# KiCad board Transmi.kicad_pcb
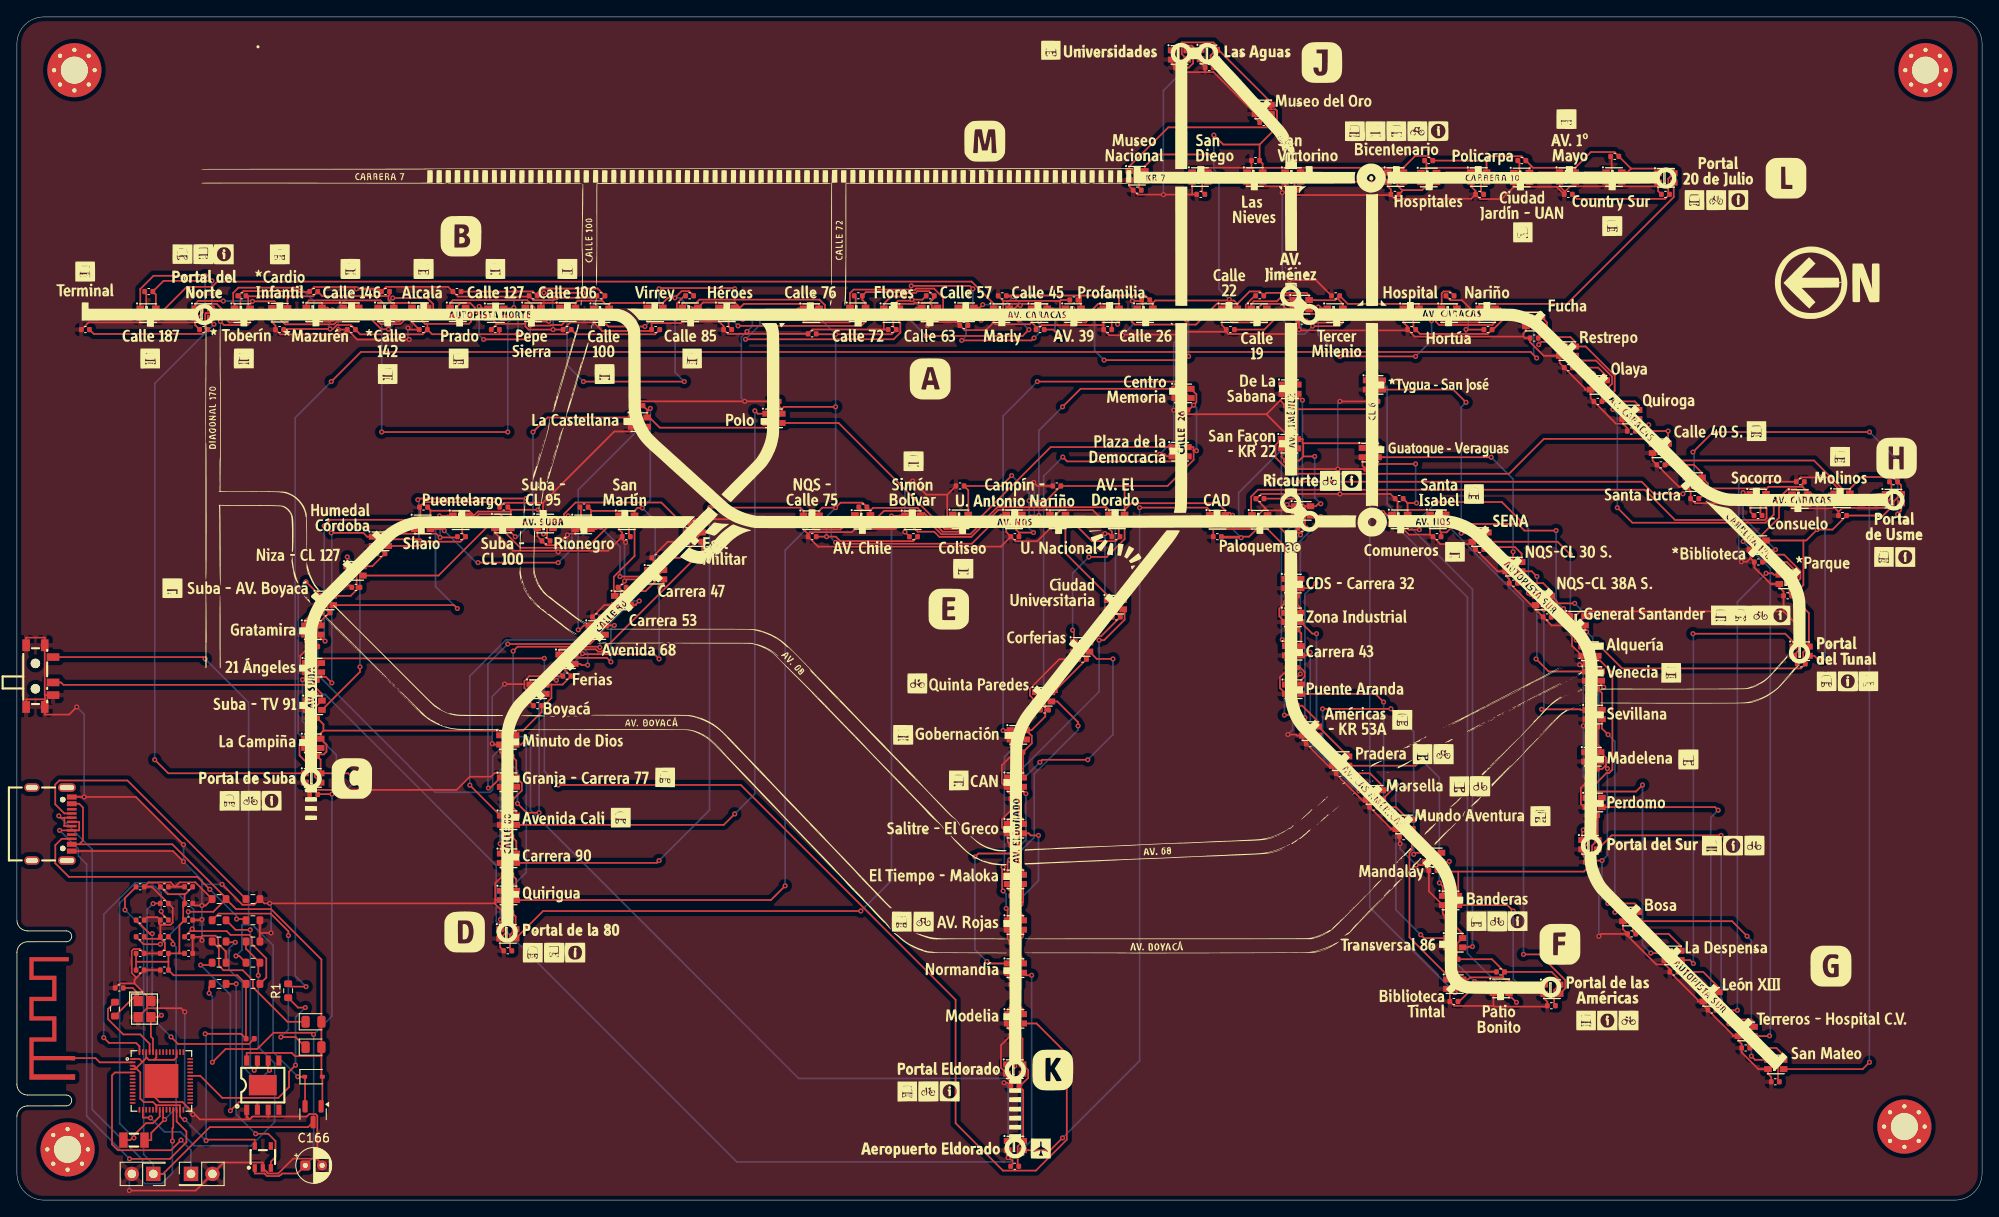
[diagram p0: board, top side]
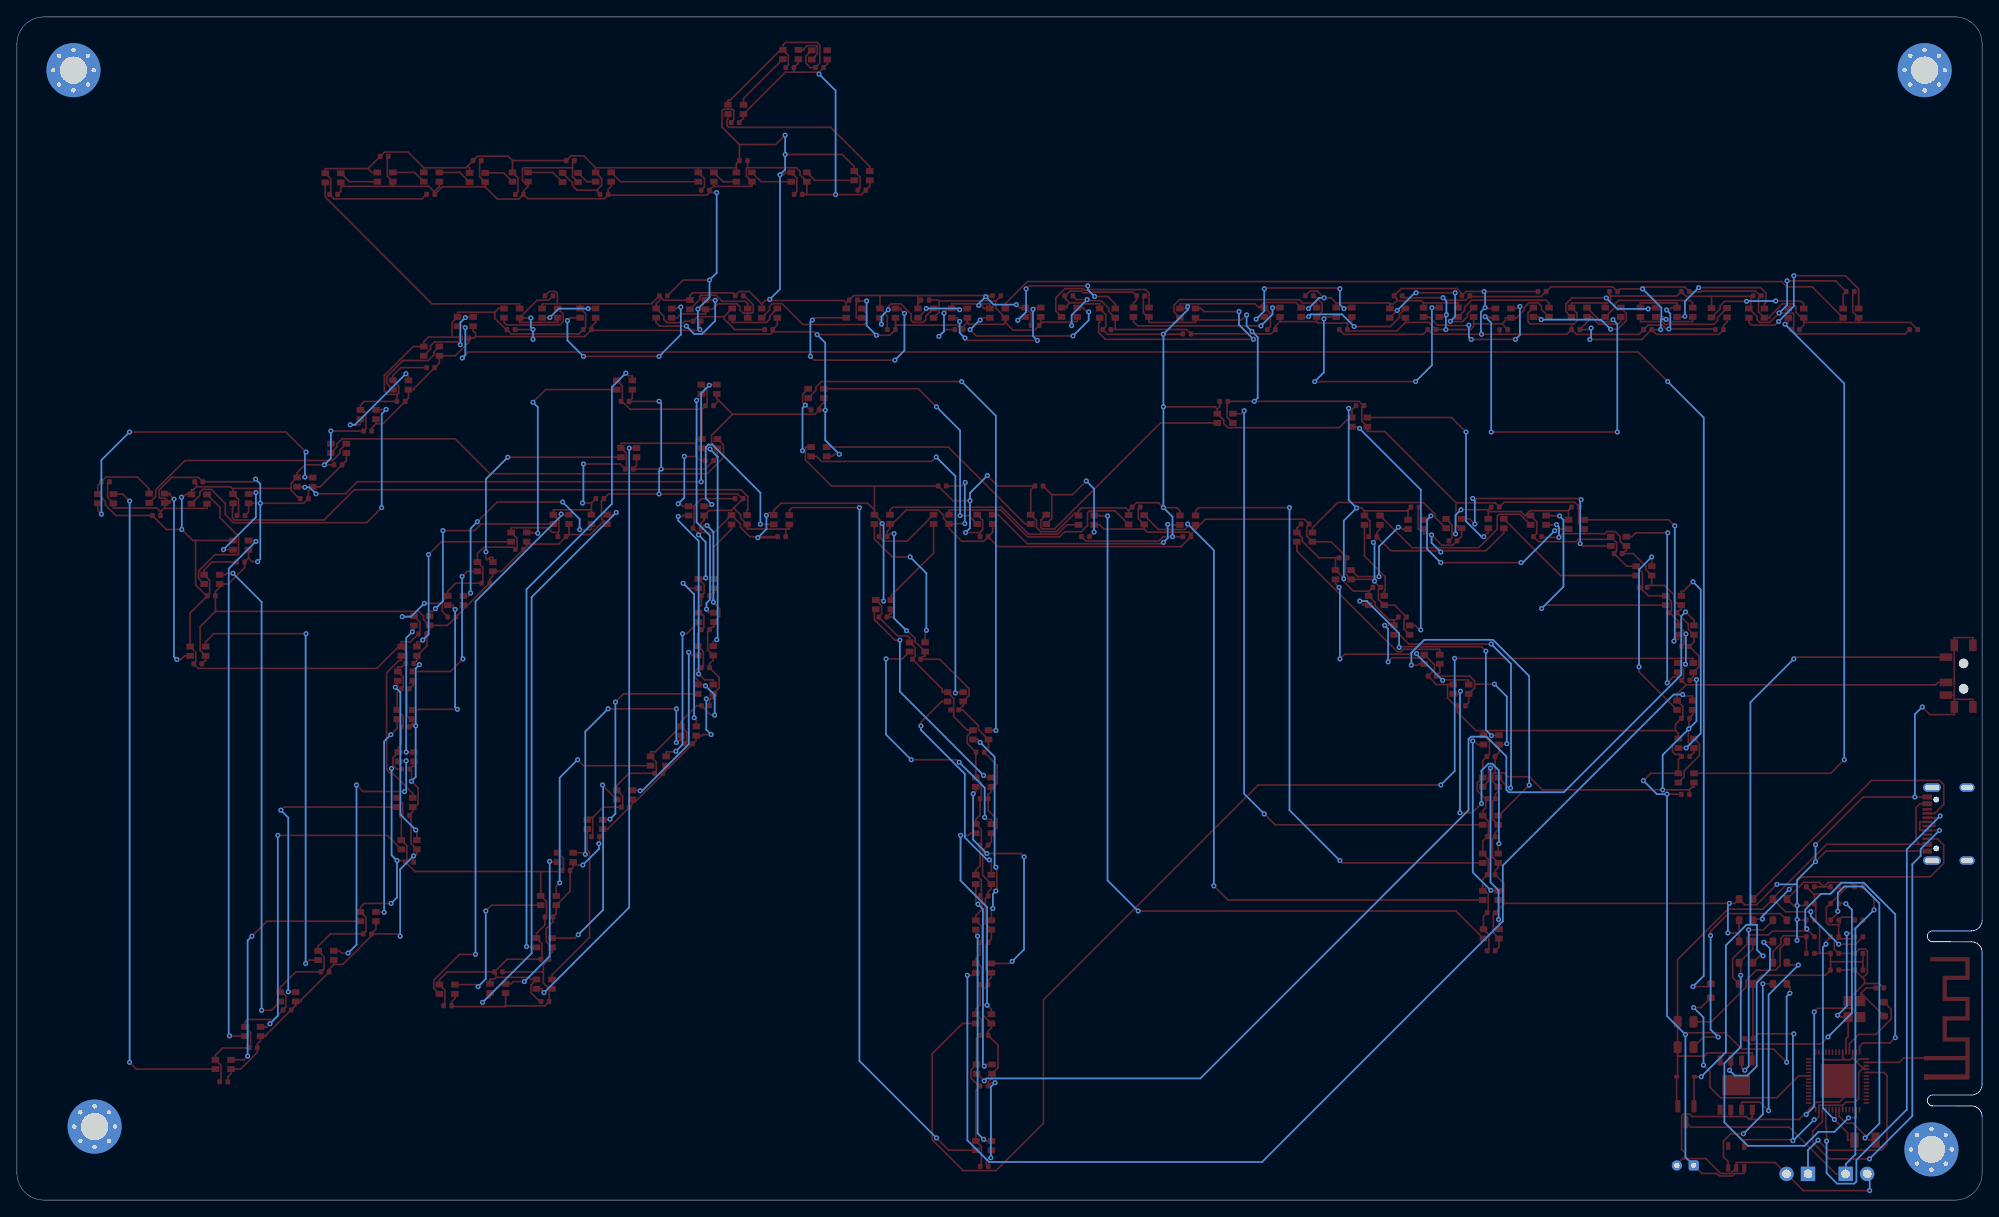
[diagram p1: board, bottom side, seen from below]

Outline 232.61 x 140 mm; copper layers: Top, Bottom. Coordinates in mm from the lower left corner of the outline.
Outline path: 0,9.88 0,3.2 arc(0.94,0.94) 3.2,0 229.41,0 arc(231.67,0.94) 232.61,3.2 232.61,136.8 arc(231.67,139.06) 229.41,140 3.2,140 arc(0.94,139.06) 0,136.8 0,33.13 arc(0.37,32.23) 1.27,31.86 5.84,31.86 arc(6.49,31.21) 5.84,30.57 ; 0,9.87 arc(0.37,10.77) 1.27,11.14 5.84,11.15 ; 5.84,30.58 1.27,30.57 arc(0.37,30.2) 0,29.3 0,13.7 arc(0.37,12.81) 1.27,12.43 5.84,12.43 arc(6.49,11.79) 5.84,11.14

## Placement (name value [footprint] x y rotation side)
C1  100n  [C_0402_1005Metric]  8.11 103 0 top
C2  100n  [C_0402_1005Metric]  52.09 107.5 0 top
C3  100n  [C_0402_1005Metric]  99.59 107 0 top
C4  100n  [C_0402_1005Metric]  143.63 103 0 top
C5  100n  [C_0402_1005Metric]  187.13 94.5 0 top
C6  100n  [C_0402_1005Metric]  209.59 71.5 0 top
C7  100n  [C_0402_1005Metric]  35.09 52.5 0 top
C8  100n  [C_0402_1005Metric]  106.13 78.5 0 top
C9  100n  [C_0402_1005Metric]  168.09 78.5 0 top
C10  100n  [C_0402_1005Metric]  186.13 40 0 top
C11  100n  [C_0402_1005Metric]  151.11 63 0 top
C12  100n  [C_0402_1005Metric]  151.13 119.5 0 top
C13  100n  [C_0402_1005Metric]  140.13 119 0 top
C14  100n  [C_0402_1005Metric]  58.11 29.5 0 top
C15  100n  [C_0402_1005Metric]  71.63 72.5 0 top
C16  100n  [C_0402_1005Metric]  118.13 13.5 0 top
C17  100n  [C_0402_1005Metric]  15.61 107.5 0 top
C18  100n  [C_0402_1005Metric]  56.63 103 0 top
C19  100n  [C_0402_1005Metric]  103.61 103 0 top
C20  100n  [C_0402_1005Metric]  147.11 107 0 top
C21  100n  [C_0402_1005Metric]  191.09 91 0 top
C22  100n  [C_0402_1005Metric]  211.21 63.45 0 top
C23  100n  [C_0402_1005Metric]  35.11 57 0 top
C24  100n  [C_0402_1005Metric]  111.63 84.5 0 top
C25  100n  [C_0402_1005Metric]  173.13 77 0 top
C26  100n  [C_0402_1005Metric]  191.13 31.5 0 top
C27  100n  [C_0402_1005Metric]  151.09 58.5 0 top
C28  100n  [C_0402_1005Metric]  147.59 127.5 0 top
C29  100n  [C_0402_1005Metric]  146.61 123 0 top
C30  100n  [C_0402_1005Metric]  58.11 34 0 top
C31  100n  [C_0402_1005Metric]  75.63 76 0 top
C32  100n  [C_0402_1005Metric]  118.13 19.5 0 top
C33  100n  [C_0402_1005Metric]  22.11 103 0 top
C34  100n  [C_0402_1005Metric]  61.11 107 0 top
C35  100n  [C_0402_1005Metric]  108.11 107 0 top
C36  100n  [C_0402_1005Metric]  152.09 104 0 top
C37  100n  [C_0402_1005Metric]  194.59 87 0 top
C38  100n  [C_0402_1005Metric]  35.13 48 0 top
C39  100n  [C_0402_1005Metric]  35.09 61.5 0 top
C40  100n  [C_0402_1005Metric]  118.13 78.5 0 top
C41  100n  [C_0402_1005Metric]  177.13 73 0 top
C42  100n  [C_0402_1005Metric]  196.13 27 0 top
C43  100n  [C_0402_1005Metric]  153.09 54 0 top
C44  100n  [C_0402_1005Metric]  141.13 134 0 top
C45  100n  [C_0402_1005Metric]  163.11 119 0 top
C46  100n  [C_0402_1005Metric]  58.11 38.5 0 top
C47  100n  [C_0402_1005Metric]  80.13 80 0 top
C48  100n  [C_0402_1005Metric]  118.13 25.5 0 top
C49  100n  [C_0402_1005Metric]  26.63 107 0 top
C50  100n  [C_0402_1005Metric]  65.13 103 0 top
C51  100n  [C_0402_1005Metric]  112.09 103.5 0 top
C52  100n  [C_0402_1005Metric]  156.09 107 0 top
C53  100n  [C_0402_1005Metric]  198.59 83 0 top
C54  100n  [C_0402_1005Metric]  35.13 65.5 0 top
C55  100n  [C_0402_1005Metric]  36.59 69.5 0 top
C56  100n  [C_0402_1005Metric]  123.09 84.5 0 top
C57  100n  [C_0402_1005Metric]  181.13 69 0 top
C58  100n  [C_0402_1005Metric]  200.63 22.5 0 top
C59  100n  [C_0402_1005Metric]  156.63 50.5 0 top
C60  100n  [C_0402_1005Metric]  137.61 134 0 top
C61  100n  [C_0402_1005Metric]  173.13 119 0 top
C62  100n  [C_0402_1005Metric]  58.11 43 0 top
C63  100n  [C_0402_1005Metric]  73.63 94 0 top
C64  100n  [C_0402_1005Metric]  118.13 30.5 0 top
C65  100n  [C_0402_1005Metric]  31.09 103 0 top
C66  100n  [C_0402_1005Metric]  69.13 107 0 top
C67  100n  [C_0402_1005Metric]  116.63 107 0 top
C68  100n  [C_0402_1005Metric]  165.09 103 0 top
C69  100n  [C_0402_1005Metric]  206.09 81 0 top
C70  100n  [C_0402_1005Metric]  40.13 72.5 0 top
C71  100n  [C_0402_1005Metric]  43.09 76.5 0 top
C72  100n  [C_0402_1005Metric]  130.09 78.5 0 top
C73  100n  [C_0402_1005Metric]  184.59 67 0 top
C74  100n  [C_0402_1005Metric]  204.63 18 0 top
C75  100n  [C_0402_1005Metric]  160.59 46.5 0 top
C76  100n  [C_0402_1005Metric]  132.61 119.5 0 top
C77  100n  [C_0402_1005Metric]  178.13 123 0 top
C78  100n  [C_0402_1005Metric]  58.11 47.5 0 top
C79  100n  [C_0402_1005Metric]  89.76 94.5 0 top
C80  100n  [C_0402_1005Metric]  118.13 36 0 top
C81  100n  [C_0402_1005Metric]  35.13 107.5 0 top
C82  100n  [C_0402_1005Metric]  75.61 103 0 top
C83  100n  [C_0402_1005Metric]  121.11 103 0 top
C84  100n  [C_0402_1005Metric]  169.63 107 0 top
C85  100n  [C_0402_1005Metric]  211.09 85 0 top
C86  100n  [C_0402_1005Metric]  48.13 82 0 top
C87  100n  [C_0402_1005Metric]  52.63 78.5 0 top
C88  100n  [C_0402_1005Metric]  142.09 78.5 0 top
C89  100n  [C_0402_1005Metric]  186.63 60.5 0 top
C90  100n  [C_0402_1005Metric]  208.13 14 0 top
C91  100n  [C_0402_1005Metric]  164.13 43 0 top
C92  100n  [C_0402_1005Metric]  150.63 94 0 top
C93  100n  [C_0402_1005Metric]  183.63 119 0 top
C94  100n  [C_0402_1005Metric]  58.13 52.5 0 top
C95  100n  [C_0402_1005Metric]  130.13 69 0 top
C96  100n  [C_0402_1005Metric]  118.13 42 0 top
C97  100n  [C_0402_1005Metric]  39.59 103 0 top
C98  100n  [C_0402_1005Metric]  79.63 107 0 top
C99  100n  [C_0402_1005Metric]  125.11 106.5 0 top
C100  100n  [C_0402_1005Metric]  174.13 103 0 top
C101  10u  [C_0402_1005Metric]  14.59 37.07 0 top
C102  100n  [C_0402_1005Metric]  216.09 81 0 top
C103  10p  [C_0402_1005Metric]  12.11 25.1 0 top
C104  100n  [C_0402_1005Metric]  57.63 82 0 top
C105  10p  [C_0402_1005Metric]  14.59 33.13 0 top
C106  10u  [C_0402_1005Metric]  14.59 31.16 0 top
C107  10u  [C_0402_1005Metric]  14.59 29.19 0 top
C108  1u  [C_0402_1005Metric]  14.59 27.22 0 top
C109  0u1  [C_0402_1005Metric]  17.46 37.07 0 top
C110  0u1  [C_0402_1005Metric]  17.46 35.1 0 top
C111  18p  [C_0402_1005Metric]  17.46 33.13 0 top
C112  18p  [C_0402_1005Metric]  17.46 31.16 0 top
C113  0u1  [C_0402_1005Metric]  17.46 29.19 0 top
C114  0u1  [C_0402_1005Metric]  17.46 27.22 0 top
C115  0u1  [C_0402_1005Metric]  20.33 37.07 0 top
C116  100n  [C_0402_1005Metric]  62.63 78 0 top
C117  100n  [C_0402_1005Metric]  147.13 83 0 top
C118  0u1  [C_0402_1005Metric]  20.33 35.1 0 top
C119  1u  [C_0402_1005Metric]  20.33 33.13 0 top
C120  1u  [C_0402_1005Metric]  20.33 31.16 0 top
C121  0n1  [C_0402_1005Metric]  20.33 29.19 0 top
C122  100n  [C_0402_1005Metric]  186.63 56 0 top
C123  100n  [C_0402_1005Metric]  170.09 23.5 0 top
C124  100n  [C_0402_1005Metric]  167.61 39 0 top
C125  100n  [C_0402_1005Metric]  150.63 87.5 0 top
C126  100n  [C_0402_1005Metric]  189.13 123.5 0 top
C127  100n  [C_0402_1005Metric]  61.63 58.5 0 top
C128  100n  [C_0402_1005Metric]  126.13 64 0 top
C129  100n  [C_0402_1005Metric]  118.13 47.5 0 top
C130  100n  [C_0402_1005Metric]  43.63 107.5 0 top
C131  100n  [C_0402_1005Metric]  84.13 103 0 top
C132  100n  [C_0402_1005Metric]  129.11 103 0 top
C133  100n  [C_0402_1005Metric]  179.59 102 0 top
C134  100n  [C_0402_1005Metric]  206.13 75.5 0 top
C135  100n  [C_0402_1005Metric]  67.13 82 0 top
C136  100n  [C_0402_1005Metric]  72.13 78.5 0 top
C137  100n  [C_0402_1005Metric]  152.11 79.5 0 top
C138  100n  [C_0402_1005Metric]  186.59 51 0 top
C139  100n  [C_0402_1005Metric]  175.61 27 0 top
C140  100n  [C_0402_1005Metric]  169.63 33.5 0 top
C141  100n  [C_0402_1005Metric]  151.11 71.5 0 top
C142  100n  [C_0402_1005Metric]  167.11 123 0 top
C143  100n  [C_0402_1005Metric]  65.11 62 0 top
C144  100n  [C_0402_1005Metric]  121.63 58 0 top
C145  100n  [C_0402_1005Metric]  118.61 53 0 top
C146  100n  [C_0402_1005Metric]  48.11 103 0 top
C147  100n  [C_0402_1005Metric]  94.13 102.5 0 top
C148  100n  [C_0402_1005Metric]  133.61 106.5 0 top
C149  100n  [C_0402_1005Metric]  183.63 98.5 0 top
C150  100n  [C_0402_1005Metric]  222.13 85 0 top
C151  100n  [C_0402_1005Metric]  94.13 78.5 0 top
C152  100n  [C_0402_1005Metric]  100.13 82 0 top
C153  100n  [C_0402_1005Metric]  163.61 83 0 top
C154  100n  [C_0402_1005Metric]  186.63 45.5 0 top
C155  100n  [C_0402_1005Metric]  181.63 23 0 top
C156  100n  [C_0402_1005Metric]  170.11 28.5 0 top
C157  100n  [C_0402_1005Metric]  151.11 67.5 0 top
C158  100n  [C_0402_1005Metric]  195.13 119 0 top
C159  100n  [C_0402_1005Metric]  68.61 69 0 top
C160  100n  [C_0402_1005Metric]  186.13 63.5 0 top
C161  100n  [C_0402_1005Metric]  118.11 4 0 top
C162  100n  [C_0402_1005Metric]  138.13 93.5 0 top
C163  100n  [C_0402_1005Metric]  160.63 94.5 0 top
C164  100n  [C_0402_1005Metric]  160.13 86.5 0 top
C166  1000u  [CP_Radial_D4.0mm_P2.00mm]  34.13 4.1 0 top
D101  1N5819WS  [D_SOD-323]  35.11 14.6 0 top
D129  LED  [LED_0805_2012Metric]  35.11 18.1 0 top
D130  LED  [LED_0805_2012Metric]  35.11 21.1 0 top
G***  LOGO  [Mapa]  115.11 61 0 top
H101  MountingHole  [MountingHole_3.2mm_M3_Pad_Via]  6.8 133.7 0 top
H102  MountingHole  [MountingHole_3.2mm_M3_Pad_Via]  6 6 0 top
H103  MountingHole  [MountingHole_3.2mm_M3_Pad_Via]  225.91 133.7 0 top
H104  MountingHole  [MountingHole_3.2mm_M3_Pad_Via]  223.41 8.7 0 top
J101  Bat  [PinHeader_2x01_P2.54mm_Vertical]  16.15 3.1 180 top
J104  Ant  [ESPRESSIF_ESP32_MIFA_2.4GHz_Right]  6.62 16.95 90 top
J105  Boot  [PinHeader_2x01_P2.54mm_Vertical]  20.61 3.1 0 top
L101  3n9  [L_0402_1005Metric]  27.61 19.1 0 top
LED2  WS2812B-2020  [LED-SMD_4P-L2.0-W2.0-TL_WS2812B-2020]  65.19 105.05 0 top
LED3  WS2812B-2020  [LED-SMD_4P-L2.0-W2.0-TL_WS2812B-2020]  125.03 104.95 0 top
LED4  WS2812B-2020  [LED-SMD_4P-L2.0-W2.0-TL_WS2812B-2020]  187.19 96.45 0 top
LED5  WS2812B-2020  [LED-SMD_4P-L2.0-W2.0-TL_WS2812B-2020]  35.03 54.05 0 top
LED6  WS2812B-2020  [LED-SMD_4P-L2.0-W2.0-TL_WS2812B-2020]  94.03 80.45 0 top
LED7  WS2812B-2020  [LED-SMD_4P-L2.0-W2.0-TL_WS2812B-2020]  173.19 78.45 0 top
LED8  WS2812B-2020  [LED-SMD_4P-L2.0-W2.0-TL_WS2812B-2020]  153.11 55.5 0 top
LED9  WS2812B-2020  [LED-SMD_4P-L2.0-W2.0-TL_WS2812B-2020]  151.03 121.05 0 top
LED10  WS2812B-2020  [LED-SMD_4P-L2.0-W2.0-TL_WS2812B-2020]  146.53 121.05 0 top
LED11  WS2812B-2020  [LED-SMD_4P-L2.0-W2.0-TL_WS2812B-2020]  58.19 49.45 0 top
LED12  WS2812B-2020  [LED-SMD_4P-L2.0-W2.0-TL_WS2812B-2020]  118.53 55.05 0 top
LED13  WS2812B-2020  [LED-SMD_4P-L2.0-W2.0-TL_WS2812B-2020]  15.53 104.95 0 top
LED14  WS2812B-2020  [LED-SMD_4P-L2.0-W2.0-TL_WS2812B-2020]  69.19 104.95 0 top
LED15  WS2812B-2020  [LED-SMD_4P-L2.0-W2.0-TL_WS2812B-2020]  129.53 104.95 0 top
LED16  WS2812B-2020  [LED-SMD_4P-L2.0-W2.0-TL_WS2812B-2020]  191.03 92.95 0 top
LED17  WS2812B-2020  [LED-SMD_4P-L2.0-W2.0-TL_WS2812B-2020]  35.19 58.55 0 top
LED18  WS2812B-2020  [LED-SMD_4P-L2.0-W2.0-TL_WS2812B-2020]  100.11 80.5 0 top
LED19  WS2812B-2020  [LED-SMD_4P-L2.0-W2.0-TL_WS2812B-2020]  177.19 74.95 0 top
LED20  WS2812B-2020  [LED-SMD_4P-L2.0-W2.0-TL_WS2812B-2020]  156.69 51.95 0 top
LED21  WS2812B-2020  [LED-SMD_4P-L2.0-W2.0-TL_WS2812B-2020]  147.53 129.05 0 top
LED22  WS2812B-2020  [LED-SMD_4P-L2.0-W2.0-TL_WS2812B-2020]  163.19 121.05 0 top
LED23  WS2812B-2020  [LED-SMD_4P-L2.0-W2.0-TL_WS2812B-2020]  58.11 54.45 0 top
LED24  WS2812B-2020  [LED-SMD_4P-L2.0-W2.0-TL_WS2812B-2020]  121.53 59.55 0 top
LED25  WS2812B-2020  [LED-SMD_4P-L2.0-W2.0-TL_WS2812B-2020]  22.03 104.95 0 top
LED26  WS2812B-2020  [LED-SMD_4P-L2.0-W2.0-TL_WS2812B-2020]  75.53 105.05 0 top
LED27  WS2812B-2020  [LED-SMD_4P-L2.0-W2.0-TL_WS2812B-2020]  133.53 104.95 0 top
LED28  WS2812B-2020  [LED-SMD_4P-L2.0-W2.0-TL_WS2812B-2020]  194.53 88.95 0 top
LED29  WS2812B-2020  [LED-SMD_4P-L2.0-W2.0-TL_WS2812B-2020]  35.11 63 0 top
LED30  WS2812B-2020  [LED-SMD_4P-L2.0-W2.0-TL_WS2812B-2020]  106.03 80.45 0 top
LED31  WS2812B-2020  [LED-SMD_4P-L2.0-W2.0-TL_WS2812B-2020]  180.69 70.95 0 top
LED32  WS2812B-2020  [LED-SMD_4P-L2.0-W2.0-TL_WS2812B-2020]  160.69 47.95 0 top
LED33  WS2812B-2020  [LED-SMD_4P-L2.0-W2.0-TL_WS2812B-2020]  141.03 135.55 0 top
LED34  WS2812B-2020  [LED-SMD_4P-L2.0-W2.0-TL_WS2812B-2020]  167.11 121 0 top
LED35  WS2812B-2020  [LED-SMD_4P-L2.0-W2.0-TL_WS2812B-2020]  61.69 60.45 0 top
LED36  WS2812B-2020  [LED-SMD_4P-L2.0-W2.0-TL_WS2812B-2020]  126.03 65.45 0 top
LED37  WS2812B-2020  [LED-SMD_4P-L2.0-W2.0-TL_WS2812B-2020]  26.69 104.95 0 top
LED38  WS2812B-2020  [LED-SMD_4P-L2.0-W2.0-TL_WS2812B-2020]  79.69 105.05 0 top
LED39  WS2812B-2020  [LED-SMD_4P-L2.0-W2.0-TL_WS2812B-2020]  143.53 104.95 0 top
LED40  WS2812B-2020  [LED-SMD_4P-L2.0-W2.0-TL_WS2812B-2020]  198.53 84.95 0 top
LED41  WS2812B-2020  [LED-SMD_4P-L2.0-W2.0-TL_WS2812B-2020]  35.03 67.45 0 top
LED42  WS2812B-2020  [LED-SMD_4P-L2.0-W2.0-TL_WS2812B-2020]  111.69 80.55 0 top
LED43  WS2812B-2020  [LED-SMD_4P-L2.0-W2.0-TL_WS2812B-2020]  184.69 68.55 0 top
LED44  WS2812B-2020  [LED-SMD_4P-L2.0-W2.0-TL_WS2812B-2020]  164.19 44.45 0 top
LED45  WS2812B-2020  [LED-SMD_4P-L2.0-W2.0-TL_WS2812B-2020]  137.61 135.5 0 top
LED46  WS2812B-2020  [LED-SMD_4P-L2.0-W2.0-TL_WS2812B-2020]  173.03 121.05 0 top
LED47  WS2812B-2020  [LED-SMD_4P-L2.0-W2.0-TL_WS2812B-2020]  65.11 64 0 top
LED48  WS2812B-2020  [LED-SMD_4P-L2.0-W2.0-TL_WS2812B-2020]  130.03 70.45 0 top
LED49  WS2812B-2020  [LED-SMD_4P-L2.0-W2.0-TL_WS2812B-2020]  31.11 105 0 top
LED50  WS2812B-2020  [LED-SMD_4P-L2.0-W2.0-TL_WS2812B-2020]  84.03 105.05 0 top
LED51  WS2812B-2020  [LED-SMD_4P-L2.0-W2.0-TL_WS2812B-2020]  147.03 104.95 0 top
LED52  WS2812B-2020  [LED-SMD_4P-L2.0-W2.0-TL_WS2812B-2020]  206.11 83 0 top
LED53  WS2812B-2020  [LED-SMD_4P-L2.0-W2.0-TL_WS2812B-2020]  36.53 70.95 0 top
LED54  WS2812B-2020  [LED-SMD_4P-L2.0-W2.0-TL_WS2812B-2020]  118.03 80.55 0 top
LED55  WS2812B-2020  [LED-SMD_4P-L2.0-W2.0-TL_WS2812B-2020]  186.61 62 0 top
LED56  WS2812B-2020  [LED-SMD_4P-L2.0-W2.0-TL_WS2812B-2020]  167.69 40.55 0 top
LED57  WS2812B-2020  [LED-SMD_4P-L2.0-W2.0-TL_WS2812B-2020]  132.58 121.21 0 top
LED58  WS2812B-2020  [LED-SMD_4P-L2.0-W2.0-TL_WS2812B-2020]  178.11 121 0 top
LED59  WS2812B-2020  [LED-SMD_4P-L2.0-W2.0-TL_WS2812B-2020]  68.69 67.45 0 top
LED60  WS2812B-2020  [LED-SMD_4P-L2.0-W2.0-TL_WS2812B-2020]  186.19 64.95 0 top
LED61  WS2812B-2020  [LED-SMD_4P-L2.0-W2.0-TL_WS2812B-2020]  35.19 105.05 0 top
LED62  WS2812B-2020  [LED-SMD_4P-L2.0-W2.0-TL_WS2812B-2020]  94.03 104.95 0 top
LED63  WS2812B-2020  [LED-SMD_4P-L2.0-W2.0-TL_WS2812B-2020]  152.03 105.95 0 top
LED64  WS2812B-2020  [LED-SMD_4P-L2.0-W2.0-TL_WS2812B-2020]  211.03 82.95 0 top
LED65  WS2812B-2020  [LED-SMD_4P-L2.0-W2.0-TL_WS2812B-2020]  40.03 74.45 0 top
LED66  WS2812B-2020  [LED-SMD_4P-L2.0-W2.0-TL_WS2812B-2020]  123.19 80.55 0 top
LED67  WS2812B-2020  [LED-SMD_4P-L2.0-W2.0-TL_WS2812B-2020]  186.69 57.45 0 top
LED68  WS2812B-2020  [LED-SMD_4P-L2.0-W2.0-TL_WS2812B-2020]  169.69 35.45 0 top
LED69  WS2812B-2020  [LED-SMD_4P-L2.0-W2.0-TL_WS2812B-2020]  140.03 121.05 0 top
LED70  WS2812B-2020  [LED-SMD_4P-L2.0-W2.0-TL_WS2812B-2020]  183.53 121.05 0 top
LED71  WS2812B-2020  [LED-SMD_4P-L2.0-W2.0-TL_WS2812B-2020]  71.69 70.95 0 top
LED72  WS2812B-2020  [LED-SMD_4P-L2.0-W2.0-TL_WS2812B-2020]  118.19 49.45 0 top
LED73  WS2812B-2020  [LED-SMD_4P-L2.0-W2.0-TL_WS2812B-2020]  39.53 105.05 0 top
LED74  WS2812B-2020  [LED-SMD_4P-L2.0-W2.0-TL_WS2812B-2020]  99.53 105.05 0 top
LED75  WS2812B-2020  [LED-SMD_4P-L2.0-W2.0-TL_WS2812B-2020]  156.03 104.95 0 top
LED76  WS2812B-2020  [LED-SMD_4P-L2.0-W2.0-TL_WS2812B-2020]  216.03 83.05 0 top
LED77  WS2812B-2020  [LED-SMD_4P-L2.0-W2.0-TL_WS2812B-2020]  43.03 77.95 0 top
LED78  WS2812B-2020  [LED-SMD_4P-L2.0-W2.0-TL_WS2812B-2020]  130.19 80.55 0 top
LED79  WS2812B-2020  [LED-SMD_4P-L2.0-W2.0-TL_WS2812B-2020]  186.53 52.45 0 top
LED80  WS2812B-2020  [LED-SMD_4P-L2.0-W2.0-TL_WS2812B-2020]  170.19 30.45 0 top
LED81  WS2812B-2020  [LED-SMD_4P-L2.0-W2.0-TL_WS2812B-2020]  150.69 95.95 0 top
LED82  WS2812B-2020  [LED-SMD_4P-L2.0-W2.0-TL_WS2812B-2020]  189.03 121.05 0 top
LED83  WS2812B-2020  [LED-SMD_4P-L2.0-W2.0-TL_WS2812B-2020]  75.61 74 0 top
LED84  WS2812B-2020  [LED-SMD_4P-L2.0-W2.0-TL_WS2812B-2020]  118.19 43.95 0 top
LED85  WS2812B-2020  [LED-SMD_4P-L2.0-W2.0-TL_WS2812B-2020]  43.69 105.05 0 top
LED86  WS2812B-2020  [LED-SMD_4P-L2.0-W2.0-TL_WS2812B-2020]  103.53 104.95 0 top
LED87  WS2812B-2020  [LED-SMD_4P-L2.0-W2.0-TL_WS2812B-2020]  165.03 104.95 0 top
LED88  WS2812B-2020  [LED-SMD_4P-L2.0-W2.0-TL_WS2812B-2020]  222.11 83 0 top
LED89  WS2812B-2020  [LED-SMD_4P-L2.0-W2.0-TL_WS2812B-2020]  48.03 79.95 0 top
LED90  WS2812B-2020  [LED-SMD_4P-L2.0-W2.0-TL_WS2812B-2020]  142.11 80.5 0 top
LED91  WS2812B-2020  [LED-SMD_4P-L2.0-W2.0-TL_WS2812B-2020]  186.69 47.05 0 top
LED92  WS2812B-2020  [LED-SMD_4P-L2.0-W2.0-TL_WS2812B-2020]  170.19 25.55 0 top
LED93  WS2812B-2020  [LED-SMD_4P-L2.0-W2.0-TL_WS2812B-2020]  150.61 89.5 0 top
LED94  WS2812B-2020  [LED-SMD_4P-L2.0-W2.0-TL_WS2812B-2020]  195.19 120.95 0 top
LED95  WS2812B-2020  [LED-SMD_4P-L2.0-W2.0-TL_WS2812B-2020]  80.19 78.45 0 top
LED96  WS2812B-2020  [LED-SMD_4P-L2.0-W2.0-TL_WS2812B-2020]  118.19 37.95 0 top
LED97  WS2812B-2020  [LED-SMD_4P-L2.0-W2.0-TL_WS2812B-2020]  47.69 105.05 0 top
LED98  WS2812B-2020  [LED-SMD_4P-L2.0-W2.0-TL_WS2812B-2020]  108.03 105.05 0 top
LED99  WS2812B-2020  [LED-SMD_4P-L2.0-W2.0-TL_WS2812B-2020]  169.53 104.95 0 top
LED100  WS2812B-2020  [LED-SMD_4P-L2.0-W2.0-TL_WS2812B-2020]  206.11 77.5 0 top
LED101  WS2812B-2020  [LED-SMD_4P-L2.0-W2.0-TL_WS2812B-2020]  52.53 80.45 0 top
LED102  WS2812B-2020  [LED-SMD_4P-L2.0-W2.0-TL_WS2812B-2020]  147.11 80.5 0 top
LED103  WS2812B-2020  [LED-SMD_4P-L2.0-W2.0-TL_WS2812B-2020]  186.19 42.05 0 top
LED104  WS2812B-2020  [LED-SMD_4P-L2.0-W2.0-TL_WS2812B-2020]  175.69 25.05 0 top
LED105  WS2812B-2020  [LED-SMD_4P-L2.0-W2.0-TL_WS2812B-2020]  151.03 72.95 0 top
LED106  WS2812B-2020  [LED-SMD_4P-L2.0-W2.0-TL_WS2812B-2020]  58.11 31.5 0 top
LED107  WS2812B-2020  [LED-SMD_4P-L2.0-W2.0-TL_WS2812B-2020]  73.69 92.05 0 top
LED108  WS2812B-2020  [LED-SMD_4P-L2.0-W2.0-TL_WS2812B-2020]  118.19 32.55 0 top
LED109  WS2812B-2020  [LED-SMD_4P-L2.0-W2.0-TL_WS2812B-2020]  52.19 105.05 0 top
LED110  WS2812B-2020  [LED-SMD_4P-L2.0-W2.0-TL_WS2812B-2020]  112.34 105.05 0 top
LED111  WS2812B-2020  [LED-SMD_4P-L2.0-W2.0-TL_WS2812B-2020]  174.03 104.95 0 top
LED112  WS2812B-2020  [LED-SMD_4P-L2.0-W2.0-TL_WS2812B-2020]  209.53 73.45 0 top
LED113  WS2812B-2020  [LED-SMD_4P-L2.0-W2.0-TL_WS2812B-2020]  57.53 80.05 0 top
LED114  WS2812B-2020  [LED-SMD_4P-L2.0-W2.0-TL_WS2812B-2020]  152.19 81.55 0 top
LED115  WS2812B-2020  [LED-SMD_4P-L2.0-W2.0-TL_WS2812B-2020]  191.03 33.55 0 top
LED116  WS2812B-2020  [LED-SMD_4P-L2.0-W2.0-TL_WS2812B-2020]  181.69 24.95 0 top
LED117  WS2812B-2020  [LED-SMD_4P-L2.0-W2.0-TL_WS2812B-2020]  151.03 68.95 0 top
LED118  WS2812B-2020  [LED-SMD_4P-L2.0-W2.0-TL_WS2812B-2020]  58.19 36.05 0 top
LED119  WS2812B-2020  [LED-SMD_4P-L2.0-W2.0-TL_WS2812B-2020]  89.61 92.5 0 top
LED120  WS2812B-2020  [LED-SMD_4P-L2.0-W2.0-TL_WS2812B-2020]  118.19 27.45 0 top
LED121  WS2812B-2020  [LED-SMD_4P-L2.0-W2.0-TL_WS2812B-2020]  56.69 104.95 0 top
LED122  WS2812B-2020  [LED-SMD_4P-L2.0-W2.0-TL_WS2812B-2020]  116.53 104.95 0 top
LED123  WS2812B-2020  [LED-SMD_4P-L2.0-W2.0-TL_WS2812B-2020]  179.53 103.95 0 top
LED124  WS2812B-2020  [LED-SMD_4P-L2.0-W2.0-TL_WS2812B-2020]  211.19 64.95 0 top
LED125  WS2812B-2020  [LED-SMD_4P-L2.0-W2.0-TL_WS2812B-2020]  62.53 80.05 0 top
LED126  WS2812B-2020  [LED-SMD_4P-L2.0-W2.0-TL_WS2812B-2020]  163.69 80.55 0 top
LED127  WS2812B-2020  [LED-SMD_4P-L2.0-W2.0-TL_WS2812B-2020]  196.03 28.95 0 top
LED128  WS2812B-2020  [LED-SMD_4P-L2.0-W2.0-TL_WS2812B-2020]  204.69 19.95 0 top
LED129  WS2812B-2020  [LED-SMD_4P-L2.0-W2.0-TL_WS2812B-2020]  151.11 65 0 top
LED130  WS2812B-2020  [LED-SMD_4P-L2.0-W2.0-TL_WS2812B-2020]  58.19 40.45 0 top
LED131  WS2812B-2020  [LED-SMD_4P-L2.0-W2.0-TL_WS2812B-2020]  72.19 80.45 0 top
LED132  WS2812B-2020  [LED-SMD_4P-L2.0-W2.0-TL_WS2812B-2020]  118.19 21.45 0 top
LED133  WS2812B-2020  [LED-SMD_4P-L2.0-W2.0-TL_WS2812B-2020]  61.11 105.05 0 top
LED134  WS2812B-2020  [LED-SMD_4P-L2.0-W2.0-TL_WS2812B-2020]  121.03 104.95 0 top
LED135  WS2812B-2020  [LED-SMD_4P-L2.0-W2.0-TL_WS2812B-2020]  183.53 100.45 0 top
LED136  WS2812B-2020  [LED-SMD_4P-L2.0-W2.0-TL_WS2812B-2020]  35.03 49.95 0 top
LED137  WS2812B-2020  [LED-SMD_4P-L2.0-W2.0-TL_WS2812B-2020]  67.03 79.95 0 top
LED138  WS2812B-2020  [LED-SMD_4P-L2.0-W2.0-TL_WS2812B-2020]  168.19 80.55 0 top
LED139  WS2812B-2020  [LED-SMD_4P-L2.0-W2.0-TL_WS2812B-2020]  200.53 24.05 0 top
LED140  WS2812B-2020  [LED-SMD_4P-L2.0-W2.0-TL_WS2812B-2020]  208.19 16.05 0 top
LED141  WS2812B-2020  [LED-SMD_4P-L2.0-W2.0-TL_WS2812B-2020]  151.11 60.45 0 top
LED142  WS2812B-2020  [LED-SMD_4P-L2.0-W2.0-TL_WS2812B-2020]  58.19 44.95 0 top
LED143  WS2812B-2020  [LED-SMD_4P-L2.0-W2.0-TL_WS2812B-2020]  118.19 6.45 0 top
LED144  WS2812B-2020  [LED-SMD_4P-L2.0-W2.0-TL_WS2812B-2020]  118.11 15.5 0 top
LED145  WS2812B-2020  [LED-SMD_4P-L2.0-W2.0-TL_WS2812B-2020]  160.69 96.45 0 top
LED146  WS2812B-2020  [LED-SMD_4P-L2.0-W2.0-TL_WS2812B-2020]  160.19 88.45 0 top
LED147  WS2812B-2020  [LED-SMD_4P-L2.0-W2.0-TL_WS2812B-2020]  138.03 95.45 0 top
LED148  WS2812B-2020  [LED-SMD_4P-L2.0-W2.0-TL_WS2812B-2020]  137.69 88.55 0 top
Q101  Si2301CDS  [SOT-23]  35.06 10.16 270 top
Q102  XC6220B331MR-G  [SOT-25_L3.0-W1.6-P0.95-LS2.8-TL]  29.11 5.1 90 top
R1  220  [R_0603_1608Metric]  32.11 24.78 90 top
R101  100k  [R_0603_1608Metric]  23.93 35.62 0 top
R103  1k  [R_0603_1608Metric]  23.93 33.11 0 top
R104  1k  [R_0603_1608Metric]  23.93 30.6 0 top
R105  2k  [R_0603_1608Metric]  23.93 28.09 0 top
R106  10k  [R_0603_1608Metric]  23.93 25.58 0 top
R107  22  [R_0603_1608Metric]  11.61 22.6 90 top
R108  5k1  [R_0603_1608Metric]  27.94 35.62 0 top
R109  5k1  [R_0603_1608Metric]  27.94 33.11 0 top
R111  100k  [R_0603_1608Metric]  27.94 30.6 0 top
R112  100k  [R_0603_1608Metric]  27.94 28.09 0 top
R113  10k  [R_0603_1608Metric]  27.94 25.58 0 top
SW129  SK-3296S-01-L3  [SW-SMD_SK-3296S-01-L3]  2.68 62 270 top
U1  ESP32-S2FH4  [QFN-56_L7.0-W7.0-P0.40-TL-EP4.0]  17.11 14.1 0 top
U103  TP4056  [ESOP-8_L4.9-W3.9-P1.27-LS6.0-BL-EP]  29.11 13.6 0 top
USB101  TYPE-C16P(073)  [USB-C-SMD_TYPE-C16PIN_C668624]  4.13 44.5 270 top
X101  S2240000101050JY  [CRYSTAL-SMD_4P-L2.5-W2.0-BL]  15.11 22.6 270 top
X102  Q13FC1350000400  [FC-135R_L3.2-W1.5]  13.86 7.1 0 top
